# Altium PCB 2-quilter-output.PcbDoc (part 24 of 26) (continued)
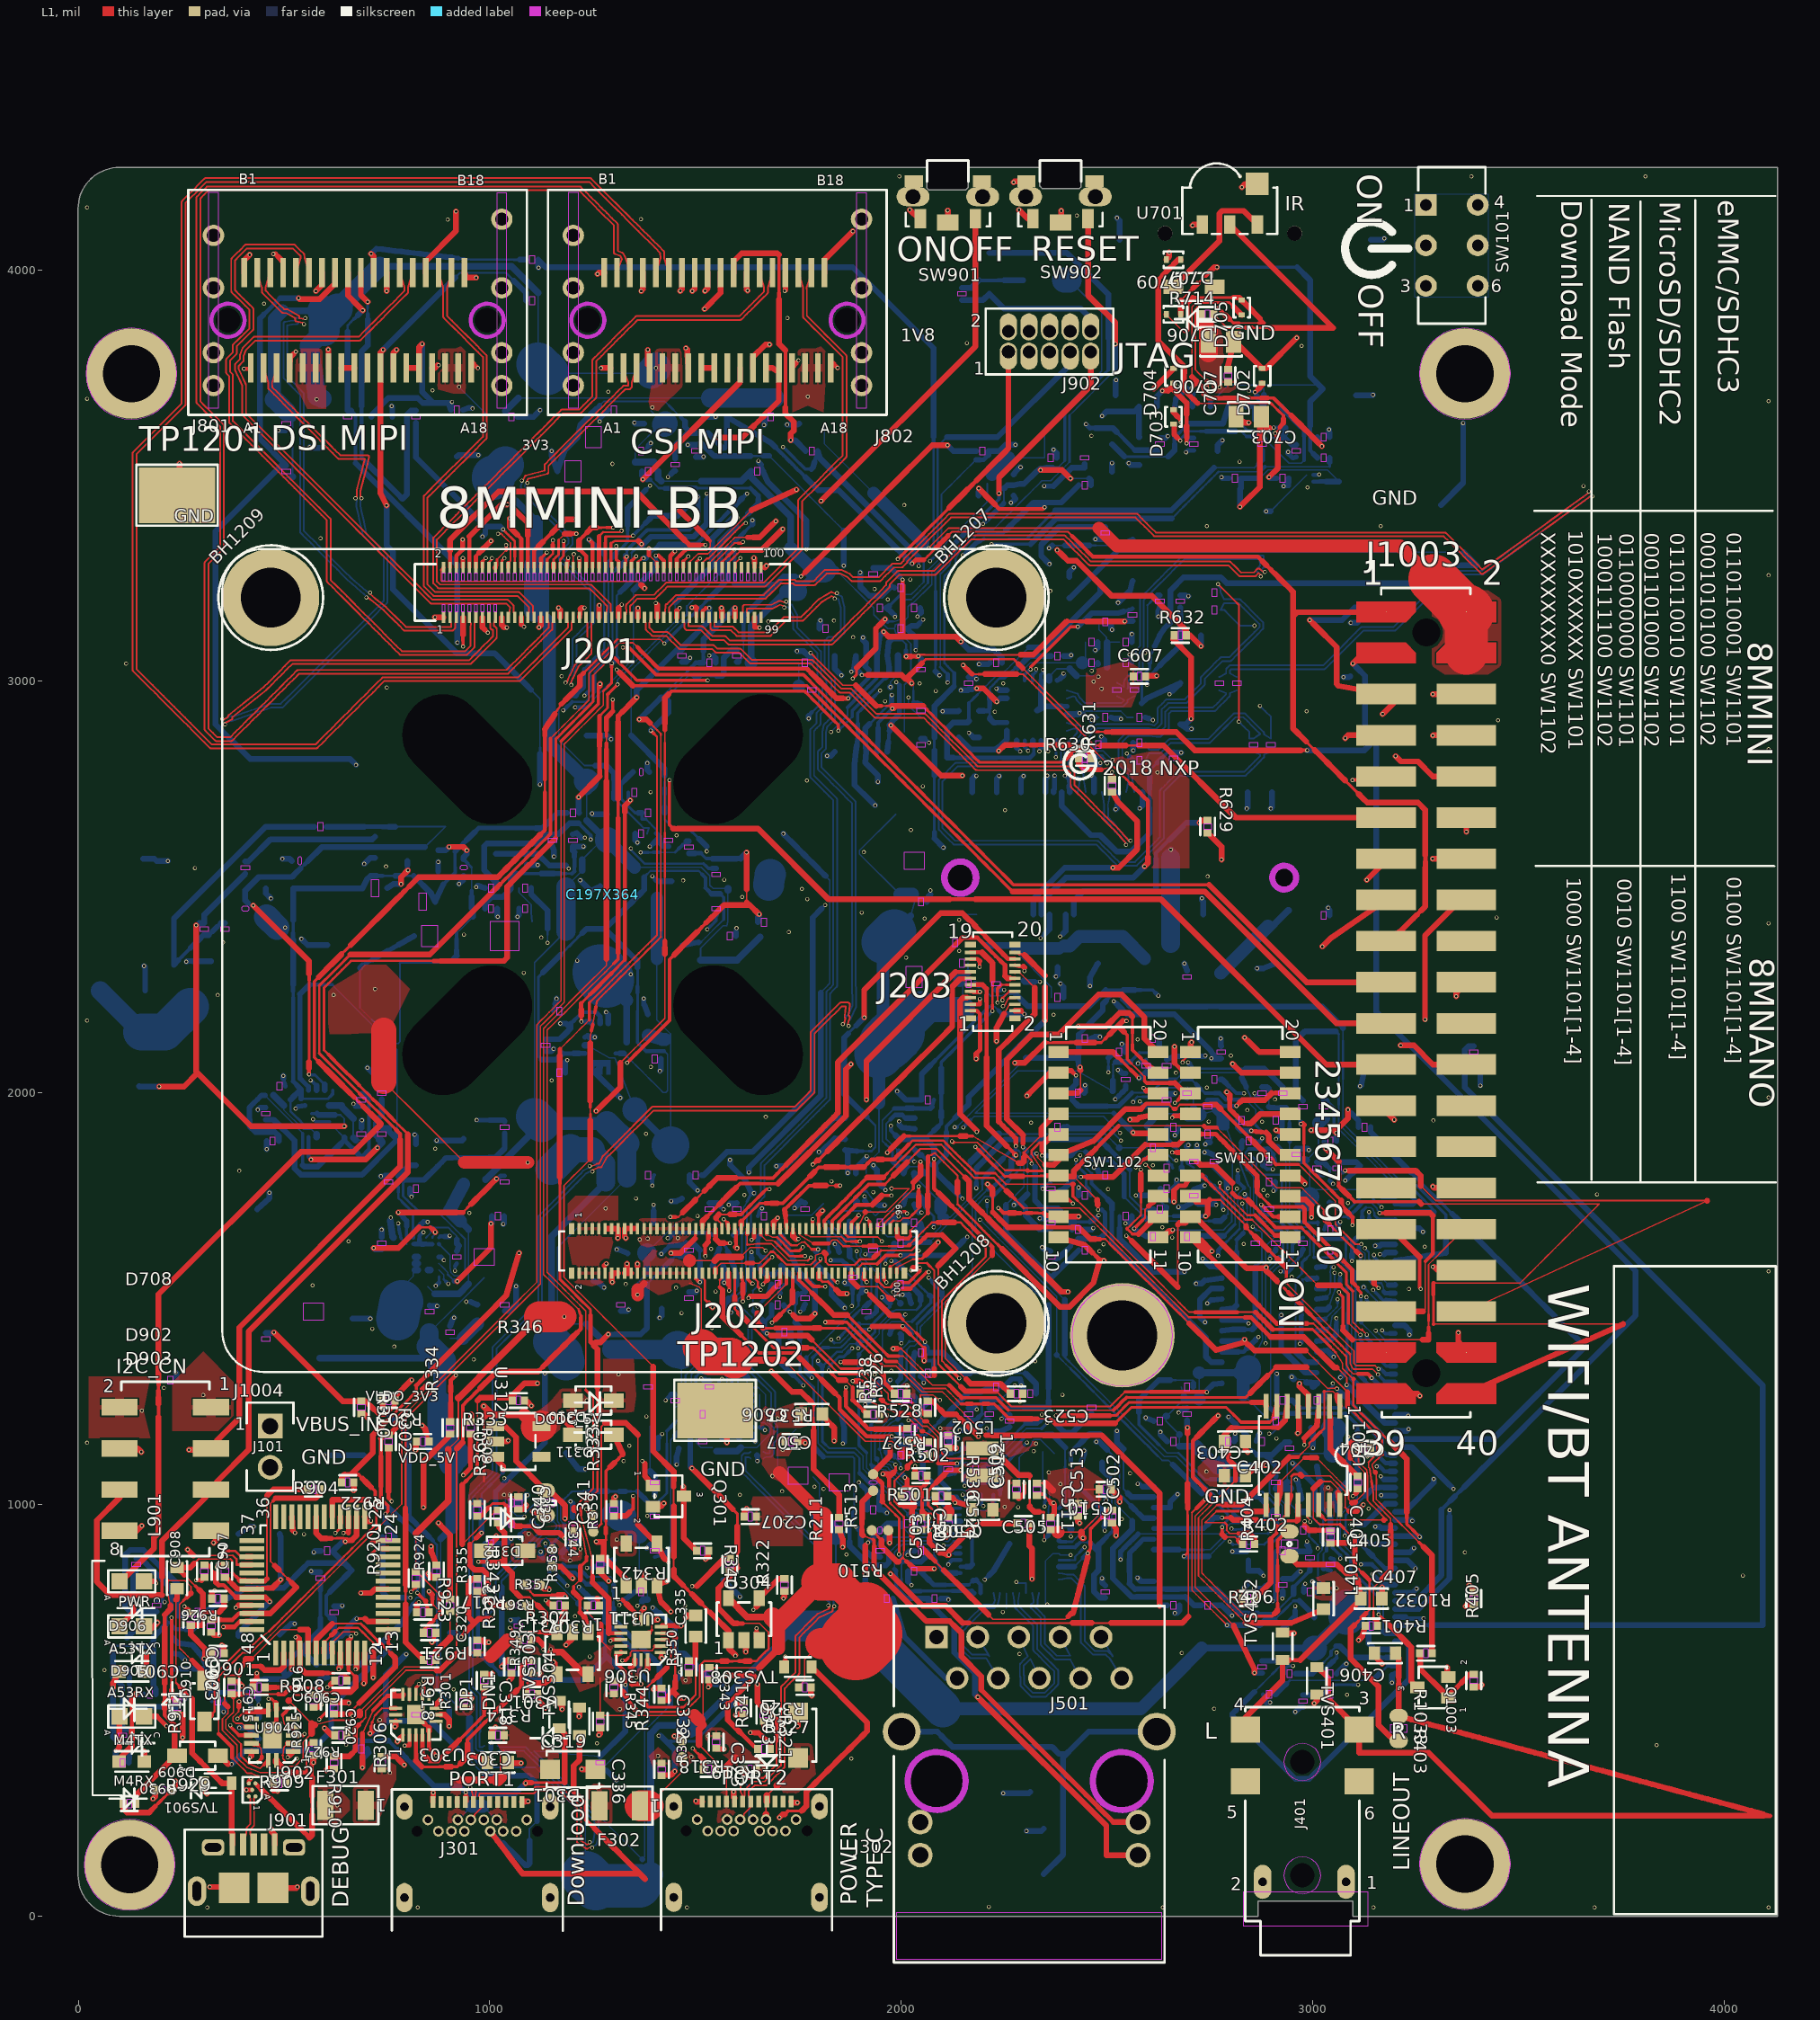
[diagram p0: L1 view]
## Nets (pads, with @x,y where several pads share a name; then routed paths per layer and width w, separated by ;. In a path a pad name is that pad's centre, name@x,y a point inside that pad or via, vN(x,y) a via of type N, cw(c..) or ccw(c..) an arc to the next point about the centre after c; other vN are vias at no path point) (continued)
USB2_ID: J201.99
USB2_OTG_VBUS: C323.1 D303.C F302.1 J302.A4 J302.A9 J302.B4 J302.B9 R319.1 R356.1 | length 379.9
  L1 w3.5: 1385.02,267.54 1464.68,347.21 1467.72,372.95 ; J302.A4@1575.34,277.49 1575.33,362.13 ; 1671.79,246.89 1671.76,263.5 J302.A9@1673.76,277.49 ; 1673.76,292.18 1698.29,316.72
  L1 w16.55: 1575.33,362.13 1597.28,384.08 ; J302.B4@1671.8,233.79 1671.79,246.89 ; J302.A9@1673.76,277.49 1673.76,292.18 ; 1698.29,316.72 1707.44,325.78
  L1 w75.61: F302.1@1365.46,267.54 1385.02,267.54
  other v1: 1711.83,333.66 1666.87,353.47 1490.3,385.81 1530.46,436.54
USB2_OTG_VBUS_F: C321.1 C322.1 D308.A F302.2 U305.C2 U305.C3 U305.C4 U305.C5 U305.D4 U305.D5 U305.E4 U305.E5 U305.F4 U305.F5 U305.G4 U305.G5 U306.15 | length 1504.1
  L3 w17.83: 1093.6,779.77 1131.08,742.29 ; 1283.18,334.83 1283.18,428.49 1283.18,522.15 ; 1330.07,584.97 1335.94,579.45 1346.14,569.85 ; v1(1355.52,578.51) 1346.87,569.85 1346.14,569.85 ; 1358.93,526.18 1346.14,569.85
  L3 w29.68: 767.72,1293.89 840.82,1220.79 911.55,1150.06 ; 911.56,1115.99 911.56,961.81 1002.57,870.79 1093.59,779.77 ; 1131.08,742.29 1193.04,742.29 ; v1(1260.89,312.54) 1283.18,334.83 ; 1287.08,526.05 1358.81,526.05 ; 1288.56,584.97 1330.07,584.97
  L3 w43.26: 1193.04,742.29 v1(1207.49,727.83)
  L3 w56.83: 767.72,1293.89 v1(767.71,1383.08) ; 911.55,1115.99 911.55,1150.06 ; v1(1243.26,630.28) 1288.56,584.97 ; 1283.18,522.15 1287.08,526.05 ; 1358.81,526.05 1358.93,526.18
  L8 w3.5: 786.23,1526.25 U305.G5@813.73,1553.6 813.74,1558.62 813.74,1564.29 U305.F5@813.73,1569.34
  L8 w16.55: C321.1@786.23,1492.41 786.23,1526.25 ; 818.78,1569.33 824.45,1569.33 ; 818.78,1585.08 824.45,1585.08 ; 818.78,1600.83 824.45,1600.83
  L8 w105.14: C321.1@776.23,1451.43 784.37,1490.54 C321.1@786.23,1492.41
USB2_VBUS: C216.1 J201.91 R320.2 U304.1 | length 3220.7
  L1 w3.5: 1244.86,1838.98 1234.17,1828.28 1223.48,1817.59 1212.78,1806.9 1202.09,1796.21 1191.4,1785.52 1180.71,1774.82 1180.71,1759.94 1180.71,1745.06 1180.71,1730.17 1180.71,1715.29 1180.71,1700.41 1180.71,1685.52 1180.71,1670.64 1180.71,1655.75 1180.71,1640.87 1180.71,1625.99 1180.71,1611.1 1180.71,1596.22 1180.71,1581.34 1180.71,1566.45 1180.71,1551.57 1191.82,1540.45 1202.94,1529.34 1214.05,1518.23 1225.16,1507.11 1236.28,1496 1247.39,1484.88 1258.51,1473.77 1269.62,1462.65 1280.73,1451.54 1291.85,1440.43 1302.96,1429.31 1314.08,1418.2 1325.19,1407.08 1336.31,1395.97 1347.42,1384.86 1358.53,1373.74 1369.65,1362.63 1380.76,1351.51 1391.88,1340.4 1397.5,1334.77 ; 1244.86,1948.76 1244.86,1964.44 ; 1244.86,2121.25 1244.86,2136.93 1247.51,2151.3 ; 1250.17,2165.67 1252.82,2180.04 1255.47,2194.4
  L1 w3.83: 1416.2,2378.57 1416.2,2393.89 ; 1416.2,2516.41 1416.2,2531.73 1416.2,2547.04 1416.2,2562.36 1416.2,2577.68 1416.2,2592.99 1416.2,2608.31 1416.2,2623.62 1416.2,2638.94 1416.2,2654.25 1416.2,2669.57 1416.2,2684.89 1416.2,2700.2 1416.2,2715.52 1416.2,2730.83 1416.2,2746.15 1416.2,2761.47 1416.2,2776.78 1416.2,2792.1 1416.2,2807.41 1416.2,2822.73 1416.2,2838.04 1416.2,2853.36 1416.2,2868.68
  L1 w4.85: 1258.12,2208.77 1260.77,2223.14 1271.87,2234.24 1282.97,2245.34 1294.08,2256.45 1305.18,2267.55 1316.28,2278.65 1327.38,2289.75 1338.48,2300.85 1349.59,2311.96 1360.69,2323.06 1371.79,2334.16 1382.89,2345.26 1394,2356.37 1405.1,2367.47 1416.2,2378.57 ; 1389.82,2898.91 1398.61,2890.12 1407.41,2881.32 1416.2,2872.53 1416.2,2868.68 ; 1416.2,2393.89 1416.2,2409.2 1416.2,2424.52 1416.2,2439.83 1416.2,2455.15 1416.2,2470.46 1416.2,2485.78 1416.2,2501.1 1416.2,2516.41 ; 1447.35,841.33 1447.35,856.82 1447.35,872.31 ; 1447.35,996.23 1447.35,1011.72 1447.35,1027.21 1447.35,1042.48
  L1 w5.87: 1244.86,1933.07 1244.86,1948.76
  L1 w7.92: 1244.86,1964.44 1244.86,1980.12 ; 1255.47,2194.4 1258.12,2208.77 ; 1480.64,792.55 1491.73,781.46 ; 1513.93,759.26 1525.02,748.17 1536.12,737.07
  L1 w8.94: 1247.51,2151.3 1250.17,2165.67 ; 1469.54,803.65 1480.64,792.55
  L1 w9.96: v1(1597.05,631.64) v1@1597.05,633.73
  L1 w13.03: 1447.35,1042.48 1447.35,1057.74
  L1 w14.05: 1244.86,1838.99 1244.86,1854.67 1244.86,1870.35 1244.86,1886.03 1244.86,1901.71 1244.86,1917.39 1244.86,1933.07 ; 1244.86,1980.12 1244.86,1995.8 1244.86,2011.48 1244.86,2027.16 1244.86,2042.85 1244.86,2058.53 1244.86,2074.21 1244.86,2089.89 1244.86,2105.57 1244.86,2121.25 ; v1(1363.87,2907.71) 1381.02,2907.71 1389.82,2898.91 ; 1397.5,1334.77 1397.5,1129.4 1447.35,1079.56 1447.35,1057.74 ; 1447.35,841.33 1447.35,825.84 1458.44,814.75 1469.54,803.65 ; 1447.35,872.31 1447.35,887.8 1447.35,903.29 1447.35,918.78 1447.35,934.27 1447.35,949.76 1447.35,965.25 1447.35,980.74 1447.35,996.23 ; 1491.73,781.46 1502.83,770.36 1513.93,759.26 ; 1536.12,737.07 1547.22,725.97 1558.31,714.88 1569.41,703.78 1580.51,692.68 U304.1@1580.51,669.77 1580.51,650.27 v1@1597.05,633.73 ; J201.91@1596.46,3155.16 1596.61,3155.32 v1(1596.61,3178.66) ; R320.2@1781.08,554.96 1781.08,537.01 v1(1783,535.09)
  L3 w3.5: v1(1597.05,631.64) 1607.78,620.91 1618.51,610.19 1629.24,599.46 1639.97,588.73 1650.7,578 1661.42,567.27 1672.15,556.55 1682.88,545.82 1693.61,535.09
  L3 w14.05: 1693.61,535.09 v1(1783,535.09)
  L8 w3.83: 1417.42,2961.26 1427.91,2971.75 1438.4,2982.23 1448.89,2992.72 1459.37,3003.21 1469.86,3013.7 1480.35,3024.18
  L8 w6.9: 1480.35,3024.18 1490.84,3034.67
  L8 w8.94: 1519.31,3059.21 1519.31,3073.26
  L8 w9.96: 1490.84,3034.67 1501.32,3045.16 ; C216.1@1519.31,3045.18 1519.31,3059.21
  L8 w12.01: 1501.32,3045.16 C216.1@1510.32,3045.16
  L8 w14.05: v1(1363.87,2907.71) 1375.47,2919.31 1385.96,2929.8 1396.45,2940.28 1406.94,2950.77 1417.42,2961.26 ; C216.1@1510.32,3045.16 C216.1@1519.31,3045.18 ; 1519.31,3073.26 1519.31,3087.31 1519.31,3101.37 1585.12,3167.18 v1(1596.61,3178.66)
USB2_VBUS_IN: C325.1 C326.1 C330.2 R323.1 R325.1 U305.C6 U305.D6 U305.E6 U305.F6 U305.G6 | length 325.9
  L6 w17.83: 759.77,1636.98 v1(759.77,1696.63) ; 766.09,1632.13 841.89,1707.94 v1@950.43,1707.94
  L6 w56.83: 759.77,1636.98 764.61,1632.13
  L6 w70.4: 764.61,1632.13 766.09,1632.13
  L6 w97.54: v1@950.43,1707.94 v1(950.5,1708.01)
  L8 w16.55: 758.44,1689.2 763.83,1650.74 766.14,1648.44
  other v1: 569.43,1532.42 656.58,1639.13
USB_DBG_DN: J901.2 U902.A2 | length 122.9
  L1 w4.28: J901.2@400.55,173.03 404.63,186.35 408.71,199.66 409.06,212.09 409.06,212.19 409.07,212.31 409.08,212.43 409.1,212.55 409.11,212.67 409.13,212.79 409.16,212.91 409.18,213.03 409.21,213.15 409.25,213.27 409.28,213.38 409.32,213.5 409.36,213.62 409.41,213.73 409.46,213.84 409.51,213.95 409.56,214.06 409.62,214.17 409.68,214.28 409.74,214.38 409.8,214.48 409.87,214.58 409.94,214.68 410.02,214.78 410.09,214.88 410.17,214.97 410.25,215.06 410.33,215.15 410.42,215.24 418.2,223.02 418.2,239.56 418.2,256.11 418.2,272.65 418,285.04 U902.A2@414.77,290.17
USB_DBG_DP: J901.3 U902.A1 | length 122.9
  L1 w4.28: J901.3@426.13,173.02 422.06,186.21 417.98,199.4 418.28,209.98 426.12,217.82 426.2,217.9 426.29,217.99 426.37,218.09 426.44,218.18 426.52,218.28 426.59,218.37 426.66,218.47 426.73,218.57 426.8,218.68 426.86,218.78 426.92,218.89 426.97,219 427.03,219.11 427.08,219.22 427.13,219.33 427.17,219.44 427.21,219.56 427.25,219.67 427.29,219.79 427.32,219.91 427.35,220.02 427.38,220.14 427.4,220.26 427.42,220.38 427.44,220.5 427.45,220.63 427.46,220.75 427.47,220.87 427.48,220.99 427.48,221.1 427.48,238.29 427.48,255.48 427.48,272.67 427.48,272.75 427.28,285.19 U902.A1@430.51,290.17
USB_LD_NFLT1: R340.1 U303.11 | length 914.8
  L1 w7.92: U303.11@820.76,537.75 820.77,545.79 820.77,553.84 827.84,560.91 v1(827.84,563.19)
  L1 w8.94: v1(1492.09,801) 1503.17,801
  L1 w14.05: 1503.17,801 1570.69,868.52 R340.1@1583.84,868.53
  L6 w3.5: 1328.28,801 1343.17,801 1358.06,801 1372.95,801 1387.85,801 1402.74,801 1417.63,801 1432.52,801 1447.41,801 1462.31,801 1477.2,801 v1(1492.09,801)
  L6 w4.85: 1296.65,769.38 1307.19,779.92 ; 1317.73,790.46 1328.28,801
  L6 w5.87: 1307.19,779.92 1317.73,790.46
  L6 w6.9: v1(827.84,563.19) 832.65,558.38 846.02,558.38 859.4,558.38 872.77,558.38 883.02,568.63 ; 985.46,671.07 995.7,681.31 ; 1121.75,714.54 1132.83,725.61 ; 1143.9,736.69 1154.97,747.76
  L6 w7.92: 975.21,660.83 985.46,671.07 ; 1154.97,747.76 1166.05,758.83 1181.05,758.83 ; 1211.07,758.83 1226.08,758.83 1241.08,758.83 1256.09,758.83 1271.1,758.83 1286.11,758.83
  L6 w8.94: 1110.68,703.47 1121.75,714.54 ; 1132.83,725.61 1143.9,736.69
  L6 w9.96: 883.02,568.63 893.26,578.87 903.5,589.12
  L6 w12.01: 903.5,589.12 913.75,599.36 ; 1286.11,758.83 1296.65,769.38
  L6 w13.03: 1181.05,758.83 1196.06,758.83 1211.07,758.83
  L6 w14.05: 913.75,599.36 923.99,609.61 934.24,619.85 944.48,630.09 954.72,640.34 964.97,650.58 975.21,660.83 ; 995.7,681.31 1088.52,681.31 1099.6,692.39 1110.68,703.47
USB_LD_NFLT2: R341.1 U306.11 | length 426.4
  L1 w9.96: v1(1293.51,668.27) 1296.4,671.16 1307.69,671.16 U306.11@1318.98,671.15
  L1 w14.05: v1(1597.93,487.34) 1600.97,490.37 R341.1@1617.01,490.38
  L6 w9.96: v1(1293.51,668.27) 1309.06,668.27 1324.6,668.27 1340.14,668.27 1355.69,668.27 1366.33,657.63 ; 1398.26,625.7 1408.9,615.06 1419.55,604.41 ; 1472.76,551.2 1483.41,540.55 1494.05,529.91 1504.69,519.27
  L6 w10.99: 1504.69,519.27 1515.34,508.62 1525.98,497.98 1536.62,487.34 1551.95,487.34
  L6 w14.05: 1366.33,657.63 1376.97,646.99 1387.62,636.34 1398.26,625.7 ; 1419.55,604.41 1430.19,593.77 1440.83,583.13 1451.48,572.48 1462.12,561.84 1472.76,551.2 ; 1551.95,487.34 1567.28,487.34 1582.6,487.34 v1(1597.93,487.34)
VBUS2_TH: C341.1 D311.C R343.2 U311.1 | length 801.8
  L1 w5.87: 997.38,991.68 1007.3,1001.61 ; 1282.7,913.4 1282.7,928.61 ; 1282.7,943.83 1282.7,959.04
  L1 w6.9: R343.2@977.52,971.83 987.45,981.76 ; 1007.3,1001.61 1020.93,1001.61 1034.55,1001.61 ; 1277.25,907.96 1282.7,913.4
  L1 w7.92: 1282.7,959.04 1282.7,974.25 1282.7,989.47 1282.7,1004.68 1282.7,1019.89 1282.7,1035.1 1282.7,1050.32 1282.7,1065.53 1282.7,1080.74 1292.96,1091 ; 1313.48,1111.52 1323.74,1121.78
  L1 w8.94: 1034.55,1001.61 1041.11,995.05 ; 1303.22,1101.26 1313.48,1111.52
  L1 w9.96: 1076.75,946.53 1091.28,946.53 1105.81,946.53
  L1 w10.99: 1173.87,925.63 v1(1182.52,916.98) ; 1282.7,928.61 1282.7,943.83
  L1 w12.01: 987.45,981.76 997.38,991.68
  L1 w13.03: 1041.11,995.05 1047.68,988.48 ; v1(1259.1,909.52) v1@1260.65,907.96
  L1 w14.05: R343.2@970.06,971.82 R343.2@977.52,971.83 ; 1047.68,988.48 1047.68,961.06 1062.21,946.53 1076.75,946.53 ; 1105.81,946.53 1121.48,930.86 1168.64,930.86 1173.87,925.63 ; v1@1260.65,907.96 1277.25,907.96 1277.25,897.03 1277.25,877.12 C341.1@1268.65,868.53 ; C341.1@1268.65,868.53 1278.66,868.52 1280.82,868.52 1331.69,817.65 U311.1@1331.69,802.55 ; 1292.96,1091 1303.22,1101.26 ; D311.C@1302.07,1169.2 1323.74,1121.78
  L3 w14.05: v1(1182.52,916.98) 1189.99,909.52 v1(1259.1,909.52)
VBUS_DBG: J901.1 L901.1 TVS901.2 | length 693.5
  L1 w3.5: 237.76,566.17 237.76,581.69 237.76,597.21 237.76,612.74 237.76,628.26 237.76,643.79 237.76,659.31 237.76,674.84 237.76,690.36 237.76,705.89 237.76,721.41 237.76,736.94 237.76,752.46 237.76,767.98
  L1 w5.87: 237.76,566.17 247.71,556.22 ; 257.67,546.26 267.62,536.31 276.77,527.16
  L1 w13.03: 298.09,373.6 308.35,363.34 318.61,353.08 328.86,342.82
  L1 w14.05: 237.76,767.98 240.16,770.38 L901.1@240.16,794.98 ; 247.71,556.22 257.67,546.26 ; 276.77,527.16 276.77,394.92 287.83,383.86 298.09,373.6 ; 328.86,342.82 339.12,332.56 349.38,322.3 360.83,322.3 TVS901.2@372.82,322.3 372.83,201.66 374.96,199.53 J901.1@374.95,173.02
VBUS_EXT: C1001.1 C1002.1 J1001.1 R1001.2 R1027.2 R1028.2 | length 476.2
  L8 w3.5: C1002.1@2960.69,1835.1 2975.87,1835.1 ; 2977.25,1836.47 2993.37,1820.34 2993.37,1771.02 ; 2985.4,1836.47 3014.57,1865.64 3014.57,1926.3 ; R1001.2@2993.37,1747.92 2993.37,1771.02 ; 3153.87,1765.23 2999.15,1765.23 2993.37,1771.02
  L8 w16.55: 2975.87,1835.1 2977.24,1836.47 2985.4,1836.47 ; 3153.87,1765.23 3169.62,1749.49 J1001.1@3200.73,1749.5
  L8 w31.31: 3014.57,1926.3 3027.05,1938.78
  L8 w46.08: R1001.2@2980.07,1733.44 2980.72,1735.27 R1001.2@2993.37,1747.92
VBUS_IN: C101.1 C105.1 C304.1 C305.1 C1004.1 J101.1 Q1001.2 R101.1 R137.1 R315.2 R316.2 R323.2 R325.2 R1029.1 R1034.1 U101.1 | length 7249
  L1 w3.5: 742.3,2027.5 842.28,1927.52 938.96,1830.84
  L1 w31.31: 938.96,1830.84 v1(1092.56,1830.84)
  L1 w60.85: 742.3,2027.5 742.3,2152.38
  L8 w3.5: 668.39,1890.69 668.39,1937.78 ; 674.18,1884.9 C105.1@688.05,1884.91 ; 853.01,1416.79 919.83,1483.61 R323.2@986.65,1550.43 ; 880.9,915.76 880.9,793.98 880.9,672.2 880.9,550.43 951.23,480.1 ; 990.29,360.56 1110.77,360.56 1232.79,238.54 1232.79,97.73 ; 1785.94,1066.54 1801.71,1049.41 1801.71,963.75 ; 1841.54,801.87 1841.54,923.92 ; R1029.1@2911.32,1038.1 R1029.1@2910.92,1038.23 2929.36,1043.77 ; 2938.88,1053.3 2938.88,1105.54 2944.09,1110.75 C1004.1@2944.1,1121.24 2952.85,1123.87 3049.65,1123.87 ; 2947.43,1038.1 2947.43,998.99 2964.96,981.46 ; 2985.61,981.45 3018.24,948.82 3018.24,907.74 3023.45,902.53 3023.45,888.48 3013.57,878.6 3013.57,817.67 3083.39,747.84
  L8 w16.55: 586.53,1355.58 733.83,1355.58 881.13,1355.58 ; U101.1@610.3,1969.16 637,1969.17 668.39,1937.78 ; U101.1@610.3,1969.16 610.5,1969.39 640.58,1969.39 ; 668.39,1890.69 674.18,1884.9 ; 880.9,915.76 907.86,942.71 ; 951.23,480.1 951.23,399.62 990.28,360.57 ; C305.1@1150.44,1395.14 1150.44,1517.21 1150.44,1650.87 1216.32,1716.75 1282.02,1782.46 ; 1391.45,100.02 1391.45,267.97 1391.45,443.21 1410.79,462.56 1483,462.56 ; 1503.88,462.56 1624.64,583.32 1745.41,704.09 ; 2730.47,650.36 2867.32,650.36 Q1001.2@3004.21,650.35 ; R1029.1@2911.32,1038.1 2947.43,1038.1 ; 2929.36,1043.77 2938.88,1053.3 ; 2964.96,981.46 2985.61,981.46
  L8 w31.31: 878.74,1244 878.74,1338.96 ; 907.86,942.71 C304.1@907.86,1099.02 ; 1483,462.56 1503.88,462.56 ; 2101.57,502.83 2262.03,502.83 2422.48,502.83 2582.94,502.83 2656.7,576.59 2730.47,650.36 ; Q1001.2@3005.29,650.36 3083.39,728.46
  L8 w46.08: 853.01,1383.69 853.01,1416.79 ; 1249.12,1861.77 1282.02,1828.86 1282.02,1782.46 ; 1801.71,963.75 1841.54,923.92 ; 1841.54,801.87 1931.16,712.25 ; 3049.65,1123.87 3051.02,1125.23 3051.02,1181.77 R1034.1@3058.08,1185.58
  L8 w60.85: 853.01,1383.69 888.25,1348.46 ; C304.1@878.74,1149.03 878.74,1244 ; 878.75,1338.96 888.25,1348.46 ; 881.13,1355.58 888.25,1348.46 ; C304.1@907.86,1099.02 C304.1@914.57,1119.4 ; 1196.28,1861.77 1249.12,1861.77 ; 1364.35,72.92 1391.45,100.02 ; Q1001.2@3004.21,650.35 Q1001.2@3005.29,650.36
  L8 w75.61: C304.1@878.74,1149.03 C304.1@914.57,1119.4 ; 1148.87,1814.35 1196.28,1861.77 ; 1745.41,704.09 1801.82,704.09 1818.79,704.09 ; 1900.32,704.09 1838.64,704.09 1818.79,704.09 ; 1923.01,704.09 1818.79,704.09
  L8 w90.38: C305.1@1150.44,1395.14 1180.86,1364.71 C305.1@1185.71,1346 ; 1900.32,704.09 2000.94,603.46 2101.57,502.83 ; 1923.01,704.09 1931.16,712.24 ; 3083.39,728.46 3083.39,747.84
  L8 w105.14: 1257.6,72.92 1364.35,72.92
  L8 w119.91: 1232.79,97.73 1257.6,72.92
  other v1: 621.01,2237.64 721.77,2252.13
VBUS_USB_DBG: C901.1 C903.1 C905.1 C910.1 C911.1 C912.1 L901.2 R904.1 R924.1 R926.1 U901.3 U901.42 U903.1 U903.3 | length 2348.7
  L1 w3.5: 292.67,866.77 308.17,866.77 323.67,866.77 339.16,866.77 354.66,866.77 370.16,866.77 ; 458.6,819.02 458.6,829.28 458.6,844.01 458.6,858.73 458.6,873.45 458.6,888.18 458.6,902.9 458.6,917.63 458.6,932.35 458.6,947.08 458.6,961.8 458.6,976.52 458.6,991.25 458.6,1005.97 458.6,1020.7
  L1 w3.83: 257.82,828.21 266.66,819.37 275.8,810.23 284.95,801.08
  L1 w4.85: 282.37,856.47 292.67,866.77 ; 370.16,866.77 373.91,863.02 373.91,848.5
  L1 w5.87: 373.91,833.97 373.91,848.5
  L1 w6.9: 373.91,833.97 383.05,824.83
  L1 w7.92: 284.95,801.08 294.09,791.94 ; 383.05,824.83 392.2,815.68
  L1 w8.94: 303.24,737.44 317.2,737.44 329.62,737.44 342.04,737.44
  L1 w9.96: 303.24,706.76 303.24,721.99 303.24,737.44
  L1 w12.01: 302.68,706.2 303.24,706.76 ; U901.42@434.18,813.68 445.95,813.68 453.27,813.68 458.6,819.02
  L1 w13.03: L901.2@248.99,837.04 257.82,828.21 ; 288.12,706.2 302.68,706.2 ; U901.42@422.4,813.69 U901.42@434.18,813.68
  L1 w14.05: L901.2@248.99,837.04 240.16,845.87 L901.2@240.16,846.16 272.06,846.16 282.37,856.47 ; 288.12,706.2 C903.1@273.34,706.2 273.35,683.74 308.54,648.55 308.54,641.06 ; 294.09,791.94 303.24,782.79 303.24,752.78 303.24,737.44 ; v1(305.66,625.14) 308.54,628.02 308.54,641.06 ; C901.1@324.94,637.95 311.64,637.95 308.54,641.06 ; 342.05,737.44 354.47,749.86 R926.1@354.47,770.75 ; 392.2,815.68 392.4,815.68 U901.42@422.4,813.69 ; 458.6,1020.7 474.28,1036.38 548.19,1036.38 R904.1@557.18,1036.39 ; v1(518.98,598.82) U901.3@518.96,638.35 ; v1(851.35,831.81) 851.35,829.42 858.35,822.42 R924.1@870.53,822.41
  L8 w3.5: 578.9,610.3 594.54,610.3 610.18,610.3 625.82,610.3 641.47,610.3 657.11,610.3 672.75,610.3 685.69,610.3
  L8 w3.83: 418.33,515.81 428.77,505.37 438.88,495.26 ; 812.91,758.22 820.38,771.54 ; 822.08,773.24 830.39,773.24 838.36,773.24
  L8 w4.85: 820.38,771.54 822.08,773.24
  L8 w8.94: C910.1@407.33,546.32 417.06,556.06 ; 426.8,565.79 436.53,575.53 452.07,575.53 ; 588.55,722.45 588.55,736.34 588.55,750.23 588.55,764.12 588.55,778.01 588.55,791.9 ; 838.7,773.58 838.7,788.55 838.7,803.86
  L8 w9.96: C905.1@324.94,521.74 328.06,532.13 326.06,532.13 ; 491.29,575.53 499.42,575.53 ; 499.42,590.53 499.42,575.53 ; 509.2,585.31 499.42,575.53 ; 520.48,626.59 531.01,637.12 ; 805.44,744.9 812.91,758.22 ; 838.7,803.86 838.7,819.16 845.02,825.48
  L8 w10.99: C910.1@407.33,546.32 C910.1@407.88,538.34 ; 509.95,616.06 520.48,626.59
  L8 w12.01: 329.08,542.16 342.79,542.16 356.49,542.16 370.2,542.16 ; 838.36,773.24 838.7,773.58
  L8 w13.03: 383.9,542.16 397.61,542.16 C910.1@407.88,538.34 ; 407.89,526.25 418.33,515.81 ; 417.06,556.06 426.8,565.79
  L8 w14.05: U903.3@229.91,600.55 306.91,600.55 312.65,606.3 ; U903.1@229.91,675.35 242.4,662.88 276.79,658 v1@302.65,629.04 ; v1(305.66,625.14) 302.65,628.16 v1@302.65,629.04 ; 326.06,532.13 322.56,535.63 ; 329.08,542.16 322.56,535.64 ; 370.2,542.16 383.9,542.16 ; 407.89,526.25 C910.1@407.88,538.34 ; 438.88,495.26 439.21,494.93 ; C912.1@439.23,480.92 C912.1@439.21,494.92 ; 452.07,575.53 467.62,575.53 483.16,575.53 491.29,575.53 ; 499.42,590.53 499.42,605.53 509.95,616.06 ; 509.2,585.31 518.98,595.09 v1(518.98,598.82) ; 531.01,637.12 541.54,647.65 ; 578.9,610.3 541.54,647.65 ; 588.55,722.45 588.55,708.55 588.55,694.66 554.12,660.24 541.54,647.65 ; 588.55,791.9 C911.1@588.52,805.81 ; 685.69,610.3 786.49,711.09 790.5,718.26 797.97,731.58 805.44,744.9 ; 845.02,825.48 v1(851.35,831.81) ; v1@302.65,629.04 305.36,619.31 306.78,616.99 312.65,606.3 ; 312.65,606.3 322.55,596.39 322.55,535.63
VCC: J902.1 R920.2 | length 3853.8
  L1 w5.87: v1(809.18,787.17) 814.96,792.95 R920.2@820.67,798.66
  L1 w7.92: v1(1992.07,3296.91) 1999.54,3304.38 2007.01,3311.85 2018.05,3322.89 2029.09,3333.93 2040.13,3344.97 2051.17,3356.01 2062.21,3367.06 2073.26,3378.1 2084.3,3389.14 2095.34,3400.18 2106.38,3411.22 2117.42,3422.26
  L1 w9.96: R920.2@820.67,798.66 R920.2@820.67,805.59 ; 2172.63,3477.47 2183.67,3488.51
  L1 w12.01: 2161.59,3466.43 2172.63,3477.47
  L1 w14.05: R920.2@820.67,805.59 R920.2@820.75,805.81 ; 2117.42,3422.26 2128.46,3433.31 2139.51,3444.35 2150.55,3455.39 2161.59,3466.43 ; 2183.67,3488.51 2194.71,3499.56 2205.76,3510.6 2216.8,3521.64 2227.84,3532.68 2238.88,3543.72 2249.92,3554.76 2260.96,3565.81 J902.1@2260.96,3790.18
  L3 w4.85: 1960.95,2965.37 1960.95,2979.15 1960.95,2992.94 ; 1973.37,3123.71 1973.37,3138.5 1973.37,3153.3 1973.37,3168.09
  L3 w8.94: v1(1960.95,2951.58) 1960.95,2965.37
  L3 w9.96: 1960.95,2992.94 1967.16,2999.15 1973.37,3005.37 1973.37,3020.16 1973.37,3034.95 1973.37,3049.74 1973.37,3064.54 1973.37,3079.33 1973.37,3094.12 1973.37,3108.92 1973.37,3123.71
  L3 w13.03: 1987.86,3229.78 1987.86,3245.51 1987.86,3261.24
  L3 w14.05: 1973.37,3168.09 1987.86,3182.58 1987.86,3198.31 1987.86,3214.04 1987.86,3229.78 ; 1987.86,3261.24 1987.86,3276.97 1987.86,3292.7 v1(1992.07,3296.91)
  L6 w3.5: 1053.54,1186.56 1053.54,1202 1053.54,1217.44 1053.54,1232.88 1053.54,1248.33 1053.54,1263.77 1053.54,1279.21 1053.54,1294.65 1053.54,1310.1 1053.54,1325.54 1053.54,1340.98 1053.54,1356.42 1053.54,1371.86 1053.54,1387.31 1053.54,1402.75 1053.54,1418.19 1053.54,1433.63 1053.54,1449.08 1053.54,1464.52 1053.54,1479.96 1053.54,1495.4 1053.54,1510.85 1053.54,1526.29 1053.54,1541.73 1053.54,1557.17 1053.54,1572.61 1053.54,1588.06 1053.54,1603.5 1053.54,1618.94 1053.54,1634.38 1053.54,1649.83 ; 1901.28,2624.58 1901.28,2640.3 1901.28,2656.03 1901.28,2671.75 1901.28,2687.48 1901.28,2703.2 1901.28,2718.93 1901.28,2734.65 1901.28,2750.38 1901.28,2766.11 1901.28,2781.83 1901.28,2797.56 1901.28,2813.28 1901.28,2829.01 1901.28,2844.73 1901.28,2860.46 1901.28,2876.18 1901.28,2891.91 1911.22,2901.85 1921.17,2911.8 1931.11,2921.74 1941.06,2931.69 1951,2941.63 v1(1960.95,2951.58)
  L6 w4.85: 1901.28,2624.58 1911.5,2614.36 1921.72,2604.14 1931.94,2593.92 1942.16,2583.7 1952.38,2573.48 ; 1952.38,2562.56 1952.38,2573.47
  L6 w5.87: 1053.54,1649.83 1064.52,1660.8 1075.5,1671.78 1086.47,1682.76 1097.45,1693.73 1108.43,1704.71 1119.41,1715.69 1130.38,1726.66 1141.36,1737.64 1152.34,1748.62 ; 1229.17,1825.46 1240.15,1836.43
  L6 w6.9: 1426.76,2038.32 1426.76,2053.61 1426.76,2068.89 ; 1426.76,2298.14 1426.76,2313.42 1426.76,2328.7
  L6 w7.92: 1415.78,2012.06 1426.76,2023.04 1426.76,2038.32 ; 1426.76,2068.89 1426.76,2084.17 1426.76,2099.46 1426.76,2114.74 1426.76,2130.02 1426.76,2145.31 1426.76,2160.59 1426.76,2175.87 1426.76,2191.15 1426.76,2206.44 1426.76,2221.72 1426.76,2237 1426.76,2252.29 1426.76,2267.57 1426.76,2282.85 1426.76,2298.14
  L6 w9.96: v1(809.18,787.17) v1@809.18,791.06 ; 1218.2,1814.48 1229.17,1825.46 ; 1240.15,1836.43 1251.13,1847.41
  L6 w10.99: 831,832.45 841.9,843.35 852.8,854.25 ; 940.01,941.46 950.91,952.36 950.91,967.97 950.91,983.58 950.91,999.19 950.91,1014.8 950.91,1030.41 950.91,1046.02 950.91,1061.63 950.91,1077.24 ; 1152.34,1748.62 1163.31,1759.59
  L6 w14.05: v1@809.19,791.07 809.19,810.64 820.09,821.55 831,832.45 ; 852.8,854.25 863.7,865.15 874.6,876.05 885.5,886.95 896.4,897.85 907.31,908.76 918.21,919.66 929.11,930.56 940.01,941.46 ; 950.91,1077.24 950.91,1083.92 1053.54,1186.56 ; 1163.31,1759.59 1174.29,1770.57 1185.27,1781.55 1196.24,1792.53 1207.22,1803.5 1218.2,1814.48 ; 1251.13,1847.41 1262.11,1858.39 1273.08,1869.36 1284.06,1880.34 1295.04,1891.32 1306.01,1902.29 1316.99,1913.27 1327.97,1924.25 1338.94,1935.22 1349.92,1946.2 1360.9,1957.18 1371.87,1968.16 1382.85,1979.13 1393.83,1990.11 1404.8,2001.09 1415.78,2012.06 ; 1426.76,2328.7 1438.61,2340.56 1752.18,2340.56 1952.38,2540.75 1952.38,2551.66 1952.38,2562.56